# Allegro board BeagleBone AI -64_PCB_V1.02_211119.brd (continued)
## Routing (per net, layer and track width the routed paths; a pad name or vN(x,y) marks a point on that pad's centre or on a via; arc(x,y) is an arc through that point) (continued)
GND_CT: length 10.1
  TOP w0.254: -27.98,5.18 R158.1
  TOP w0.406: -27.98,5.18 -27.98,5.59 -24.12,9.45 -24.12,12.05 -24.37,12.29 J9.1
GND_EARTH: length 724.5
  TOP w0.406: v1(-47.09,53.19) -39.34,53.19 -37.99,51.84 -35.45,51.84 -34.89,51.28 -33.03,51.28 J12.S2
  TOP w0.673: -45.49,70.83 MH1.1 -42.77,73.55 ; -44.76,68.47 MH4.1 -42.09,71.15
  TOP w1.016: MH4.1 -37.09,63.47 J12.S1 ; -46.71,65.38 -47.06,65.38 -47.22,65.22 J12.S4 ; -47.16,51.87 -47.22,51.81 J12.S3 ; -47.01,63.77 -47.01,62.43
  L2-GND w0.381: J7.SH1 14.89,-0.4 ; J7.SH1 14.89,-3.05 ; J7.SH1 15.67,-1.73 ; J7.SH1 14.11,-1.73 ; -4.61,5.1 J8.20 -4.61,1.75 ; -42.62,32.23 MH2.1 -45.34,29.51 ; 41.92,-1.96 J5.S3 ; J5.S3 41.92,0.19 ; J5.S3 42.6,-0.89 ; J5.S3 41.24,-0.89 ; 53.07,-0.09 MH9.1 50.36,-2.8 ; J7.SH2 5.77,-0.4 ; J7.SH2 5.77,-3.05 ; J7.SH2 6.55,-1.73 ; -45.49,70.83 MH1.1 -42.77,73.55 ; -44.37,-2.8 MH3.1 ; MH3.1 -47.09,-0.09 ; MH3.1 -44.37,2.63 ; MH3.1 -41.65,-0.09 ; 32.92,-1.96 J5.S4 ; J5.S4 32.92,0.19 ; J5.S4 32.24,-0.89 ; J5.S4 33.6,-0.89 ; -19.43,3.43 J8.21 ; J8.21 -17.75,5.1 ; J8.21 -17.75,1.75 ; -22.21,6.05 J9.15 -20.68,7.58 ; -42.09,71.15 MH4.1 -44.76,68.47
  L2-GND w1.016: -42.42,26.56 MH5.1 -42.09,26.83 -44.29,29.03 ; -42.42,26.56 -45.31,26.56 -45.46,26.42 ; -42.42,26.56 -44.34,24.64 ; 23.95,72.42 22.23,74.14 ; 23.95,72.42 23.95,72.92 25.56,74.53 ; 23.95,72.42 MH6.1 ; -38.91,5.11 -37.96,6.06 J9.16 ; 41.71,2.22 41.71,0.51 41.74,0.48 ; 33.11,2.22 33.11,0.5 33.13,0.48 ; J8.22 -17.75,6.66 -17.93,6.48 ; -45.71,28.93 -44.83,29.82 -44.83,31.72 MH2.1 -45.34,32.74 -47.29,34.69 -47.29,34.8 ; J7.SH4 6.07,2.4 ; J8.19 -4.61,6.88 -4.41,6.68 ; J7.SH3 14.59,2.39
  L4-GND w0.381: -17.75,1.75 J8.21 ; J8.21 -17.75,5.1 ; J8.21 -19.43,3.43 ; -42.09,71.15 MH4.1 -44.76,68.47 ; -4.61,5.1 J8.20 -4.61,1.75 ; J7.SH2 5.77,-0.4 ; J7.SH2 6.55,-1.73 ; J7.SH2 5.77,-3.05 ; -44.37,-2.8 MH3.1 ; MH3.1 -44.37,2.63 ; MH3.1 -47.09,-0.09 ; MH3.1 -41.65,-0.09 ; J5.S3 42.6,-0.89 ; J5.S3 41.92,-1.96 ; J5.S3 41.92,0.19 ; J5.S3 41.24,-0.89 ; J7.SH1 14.89,-0.4 ; J7.SH1 15.67,-1.73 ; J7.SH1 14.11,-1.73 ; J7.SH1 14.89,-3.05 ; 32.92,-1.96 J5.S4 ; J5.S4 32.92,0.19 ; J5.S4 33.6,-0.89 ; J5.S4 32.24,-0.89 ; -20.68,7.58 J9.15 -22.21,6.05 ; -42.62,32.23 MH2.1 -45.34,29.51 ; -42.77,73.55 MH1.1 -45.49,70.83 ; 53.07,-0.09 MH9.1 50.36,-2.8
  L4-GND w1.016: J7.SH3 14.59,2.41 14.61,2.39 ; J7.SH4 6.07,2.58 ; 22.13,74.4 22.13,73.47 MH6.1 25.46,73.15 25.46,74.63 ; J8.19 -4.61,6.83 -4.49,6.71 ; 41.71,0.43 41.71,0.43 41.71,2.22 ; -45.76,29.06 -44.83,30 -44.83,31.72 MH2.1 -45.34,32.74 -46.71,34.11 ; J8.22 -17.75,6.81 -17.62,6.68 ; 33.11,2.22 33.11,0.62 33.03,0.53 ; -38.45,5.56 -37.96,6.06 J9.16
  L6-GND w0.381: 50.36,-2.8 MH9.1 53.07,-0.09 ; MH3.1 -44.37,2.63 ; MH3.1 -44.37,-2.8 ; MH3.1 -41.65,-0.09 ; MH3.1 -47.09,-0.09 ; 41.92,-1.96 J5.S3 ; J5.S3 42.6,-0.89 ; J5.S3 41.92,0.19 ; J5.S3 41.24,-0.89 ; -17.75,1.75 J8.21 ; J8.21 -17.75,5.1 ; J8.21 -19.43,3.43 ; J7.SH2 6.55,-1.73 ; J7.SH2 5.77,-0.4 ; J7.SH2 5.77,-3.05 ; J5.S4 33.6,-0.89 ; J5.S4 32.92,0.19 ; J5.S4 32.92,-1.96 ; J5.S4 32.24,-0.89 ; 14.89,-3.05 J7.SH1 ; J7.SH1 14.11,-1.73 ; J7.SH1 14.89,-0.4 ; J7.SH1 15.67,-1.73 ; -20.68,7.58 J9.15 -22.21,6.05 ; -45.49,70.83 MH1.1 -42.77,73.55 ; -44.76,68.47 MH4.1 -42.09,71.15 ; -45.34,29.51 MH2.1 -42.62,32.23 ; -4.61,5.1 J8.20 -4.61,1.75
  L6-GND w1.016: 41.74,0.66 41.71,0.69 41.71,2.22 ; 33.1,0.59 33.11,0.6 33.11,2.22 ; -38.4,5.67 -37.96,6.11 J9.16 ; J7.SH3 14.59,2.54 14.66,2.47 ; J7.SH4 6.07,2.38 ; 22.61,74.75 22.61,72.99 MH6.1 25.28,72.97 25.28,74.68 ; -17.57,6.4 -17.75,6.58 J8.22 ; J8.19 -4.61,6.84 -4.64,6.81 ; -45.66,28.7 -44.83,29.54 -44.83,31.72 MH2.1 -45.34,32.47 -46.93,34.06
  L7-PWR/GND w0.381: 14.89,-3.05 J7.SH1 ; J7.SH1 14.89,-0.4 ; J7.SH1 15.67,-1.73 ; J7.SH1 14.11,-1.73 ; -19.43,3.43 J8.21 ; J8.21 -17.75,5.1 ; J8.21 -17.75,1.75 ; J5.S3 41.92,0.19 ; J5.S3 41.92,-1.96 ; J5.S3 41.24,-0.89 ; J5.S3 42.6,-0.89 ; -44.37,-2.8 MH3.1 ; MH3.1 -41.65,-0.09 ; MH3.1 -47.09,-0.09 ; MH3.1 -44.37,2.63 ; J5.S4 32.92,0.19 ; J5.S4 33.6,-0.89 ; J5.S4 32.92,-1.96 ; J5.S4 32.24,-0.89 ; -4.61,5.1 J8.20 -4.61,1.75 ; -45.49,70.83 MH1.1 -42.77,73.55 ; J7.SH2 6.55,-1.73 ; J7.SH2 5.77,-3.05 ; J7.SH2 5.77,-0.4 ; -42.62,32.23 MH2.1 -45.34,29.51 ; -44.76,68.47 MH4.1 -42.09,71.15 ; 53.07,-0.09 MH9.1 50.36,-2.8 ; -20.68,7.58 J9.15 -22.21,6.05
  L7-PWR/GND w1.016: -17.6,6.55 -17.75,6.71 J8.22 ; J7.SH3 14.59,2.49 14.59,2.49 ; 33.11,2.22 33.11,0.39 33.08,0.36 ; 41.71,2.22 41.71,0.61 41.69,0.59 ; J9.16 -37.96,6.18 -38.63,5.51 ; -46.71,34.11 -45.34,32.74 MH2.1 -44.83,31.72 -44.83,29.64 ; -4.18,6.76 -4.61,7.18 J8.19 ; 25.1,74.7 25.1,72.79 MH6.1 22.56,73.04 22.56,74.58 ; J7.SH4 6.07,2.48 6.05,2.47
  L8-PWR/GND w0.381: -17.75,1.75 J8.21 ; J8.21 -17.75,5.1 ; J8.21 -19.43,3.43 ; 14.11,-1.73 J7.SH1 ; J7.SH1 14.89,-0.4 ; J7.SH1 15.67,-1.73 ; J7.SH1 14.89,-3.05 ; -20.68,7.58 J9.15 -22.21,6.05 ; 5.77,-3.05 J7.SH2 ; J7.SH2 6.55,-1.73 ; J7.SH2 5.77,-0.4 ; J5.S4 33.6,-0.89 ; J5.S4 32.24,-0.89 ; J5.S4 32.92,-1.96 ; J5.S4 32.92,0.19 ; -47.09,-0.09 MH3.1 ; MH3.1 -44.37,2.63 ; MH3.1 -44.37,-2.8 ; MH3.1 -41.65,-0.09 ; -45.34,29.51 MH2.1 -42.62,32.23 ; 50.36,-2.8 MH9.1 53.07,-0.09 ; -44.76,68.47 MH4.1 -42.09,71.15 ; J5.S3 41.92,0.19 ; J5.S3 41.92,-1.96 ; J5.S3 42.6,-0.89 ; J5.S3 41.24,-0.89 ; -4.61,5.1 J8.20 -4.61,1.75 ; -45.49,70.83 MH1.1 -42.77,73.55
  L8-PWR/GND w1.016: 6.03,2.36 6.07,2.41 J7.SH4 ; -38.65,5.69 -37.96,6.39 J9.16 ; J8.22 -17.75,6.48 -17.75,6.48 ; 41.71,2.22 41.71,0.38 41.69,0.36 ; 33.11,2.22 33.11,0.42 33.08,0.38 ; -4.39,6.45 -4.61,6.67 J8.19 ; 22.41,74.6 22.41,73.19 MH6.1 25.3,73 25.3,74.7 ; -46.17,28.55 -44.83,29.89 -44.83,31.72 MH2.1 -45.34,32.74 -46.71,34.11 ; J7.SH3 14.59,2.56
  L9-PWR/GND w0.381: 14.89,-3.05 J7.SH1 ; J7.SH1 14.11,-1.73 ; J7.SH1 14.89,-0.4 ; J7.SH1 15.67,-1.73 ; 53.07,-0.09 MH9.1 50.36,-2.8 ; 41.92,-1.96 J5.S3 ; J5.S3 42.6,-0.89 ; J5.S3 41.24,-0.89 ; J5.S3 41.92,0.19 ; -42.09,71.15 MH4.1 -44.76,68.47 ; -42.77,73.55 MH1.1 -45.49,70.83 ; 5.77,-3.05 J7.SH2 ; J7.SH2 6.55,-1.73 ; J7.SH2 5.77,-0.4 ; -17.75,1.75 J8.21 ; J8.21 -19.43,3.43 ; J8.21 -17.75,5.1 ; 32.92,-1.96 J5.S4 ; J5.S4 32.92,0.19 ; J5.S4 32.24,-0.89 ; J5.S4 33.6,-0.89 ; -47.09,-0.09 MH3.1 ; MH3.1 -41.65,-0.09 ; MH3.1 -44.37,-2.8 ; MH3.1 -44.37,2.63 ; -45.34,29.51 MH2.1 -42.62,32.23 ; -20.68,7.58 J9.15 -22.21,6.05 ; -4.61,5.1 J8.20 -4.61,1.75
  L9-PWR/GND w1.016: J9.16 -37.96,6.06 -38.45,5.56 ; 41.69,0.36 41.71,0.38 41.71,2.22 ; J8.19 -4.61,6.93 -4.46,6.78 ; -44.77,24.56 -42.77,26.56 -43.14,26.56 -45.05,28.47 ; 33.11,2.22 33.11,0.62 33.1,0.61 ; J7.SH3 14.59,2.46 14.61,2.44 ; 6.08,2.44 6.07,2.45 J7.SH4 ; 22.51,74.7 22.51,73.09 MH6.1 25.05,72.74 25.05,74.75 ; -46.71,34.11 -45.34,32.74 MH2.1 -44.83,31.72 -44.83,29.54 -45.36,29.01 ; J8.22 -17.75,7.11 -18.18,6.68
  L11-GND w0.381: 53.07,-0.09 MH9.1 50.36,-2.8 ; -17.75,1.75 J8.21 ; J8.21 -17.75,5.1 ; J8.21 -19.43,3.43 ; -44.76,68.47 MH4.1 -42.09,71.15 ; J7.SH2 6.55,-1.73 ; J7.SH2 5.77,-0.4 ; J7.SH2 5.77,-3.05 ; J5.S4 32.92,0.19 ; J5.S4 32.24,-0.89 ; J5.S4 33.6,-0.89 ; J5.S4 32.92,-1.96 ; 41.24,-0.89 J5.S3 ; J5.S3 41.92,-1.96 ; J5.S3 41.92,0.19 ; J5.S3 42.6,-0.89 ; 14.11,-1.73 J7.SH1 ; J7.SH1 14.89,-3.05 ; J7.SH1 14.89,-0.4 ; J7.SH1 15.67,-1.73 ; -42.62,32.23 MH2.1 -45.34,29.51 ; -4.61,1.75 J8.20 -4.61,5.1 ; -45.49,70.83 MH1.1 -42.77,73.55 ; -47.09,-0.09 MH3.1 ; MH3.1 -44.37,-2.8 ; MH3.1 -41.65,-0.09 ; MH3.1 -44.37,2.63 ; -22.21,6.05 J9.15 -20.68,7.58
  L11-GND w1.016: -17.9,6.5 -17.75,6.66 J8.22 ; J8.19 -4.61,6.71 -4.82,6.5 ; 6.08,2.44 6.07,2.45 J7.SH4 ; J9.16 -37.96,6.11 -38.6,5.46 ; -45.03,29.03 -44.83,29.23 -44.83,31.72 MH2.1 -45.34,32.74 -46.71,34.11 ; -44.65,28.68 -42.53,26.56 -43.03,26.56 -44.77,24.82 ; J7.SH3 14.59,2.51 14.66,2.44 ; 22.31,74.75 22.31,73.3 MH6.1 25.3,73 25.3,74.83 ; 41.71,0.64 41.71,2.22 ; 33.08,0.48 33.11,0.52 33.11,2.22
  BOTTOM w0.406: J5.S2 32.92,3.75 32.7,3.53 ; J5.S1 41.92,3.63 42.04,3.51
  BOTTOM w0.673: J7.SH2 5.77,-0.4 ; J7.SH2 5.77,-3.05 ; J7.SH2 6.55,-1.73 ; -47.09,-0.09 MH3.1 ; MH3.1 -44.37,2.63 ; MH3.1 -44.37,-2.8 ; MH3.1 -41.65,-0.09 ; -17.75,1.75 J8.21 ; J8.21 -19.43,3.43 ; J8.21 -17.75,5.1 ; 41.92,-1.96 J5.S3 ; J5.S3 41.92,0.19 ; J5.S3 41.24,-0.89 ; J5.S3 42.6,-0.89 ; -20.68,7.58 J9.15 -22.21,6.05 ; -4.61,5.1 J8.20 -4.61,1.75 ; J7.SH1 15.67,-1.73 ; J7.SH1 14.11,-1.73 ; J7.SH1 14.89,-3.05 ; J7.SH1 14.89,-0.4 ; 53.07,-0.09 MH9.1 50.36,-2.8 ; J5.S4 33.6,-0.89 ; J5.S4 32.24,-0.89 ; J5.S4 32.92,-1.96 ; J5.S4 32.92,0.19
  BOTTOM w1.016: J7.SH4 6.07,2.43 6.05,2.41 ; 33.11,0.65 33.05,0.59 ; J8.22 -17.75,6.53 -17.65,6.43 ; -38.78,5.56 -37.96,6.39 J9.16 ; 14.64,2.41 14.59,2.46 J7.SH3 ; J8.19 -4.61,6.77 -4.77,6.61
  vias: v1(-47.29,20.85) v1(-47.31,17.65) v1(-47.31,5.11) v1(-47.09,39.47) v1(-47.09,2.59) v1(-47.03,60.15) v1(-47.01,54.71) v1(-47.01,48.49) v1(-47.03,46.36) v1(-46.96,24.23) v1(-46.93,43.16) v1(-46.86,34.98) v1(-46.78,27.56) v1(-46.6,66.27) v1(-45.54,69.85) v1(-41.45,73.92) v1(-39.85,-1.4) v1(-39.74,2.95) v1(-39.59,75.52) v1(-34.64,-2.77) v1(-29.66,-2.74) v1(-22.96,-2.94) v1(-15.87,-2.59) v1(-6.42,-2.64) v1(0.03,-3.15) v1(4.55,-3.15) v1(7.14,-3.02) v1(12.53,-2.82) v1(18.5,-2.87) v1(22.89,-2.82) v1(27.06,-2.89) v1(31.53,-2.72) v1(35.91,-1.73) v1(37.29,-1.83) v1(38.91,-1.73) v1(40.44,-1.78) v1(42.73,-2.84) v1(42.83,-1.47) v1(43.91,-1.5) v1(43.95,-2.94) v1(45.02,-1.5) v1(44.99,-2.84) v1(46.2,-1.5) v1(46.46,-2.61) v1(47.3,-1.57) v1(47.78,-2.77) v1(49.66,-3.1) v1(52,-2.94) v1(53.3,1.09) v1(53.3,-2.23)
V1V1_VDDUSB: length 16.6
  TOP w0.254: U20.31 -0.33,26.27 -0.31,26.29 C397.1 0.59,25.88 v1(0.17,25.46) ; v1(-2.46,16.49) -2.46,16.56 -2.71,16.82 C402.1 -2.97,17.21 -3.26,17.49 U20.13 ; C355.1 v1(-12.32,24.9) ; U20.57 -10.7,22.77 -10.81,22.67 -11.47,22.67 -12.07,22.06 v1(-12.07,21.79) -12.1,21.82 C357.1 ; v1(-5.38,16.66) -5.51,16.8 C380.1 -5.76,16.83 U20.8 ; U20.5 -7.26,17.6 -7.05,17.39 v1(-7.05,16.92) ; C398.1 0.42,24.97 v1(0.16,24.72) 0.1,24.77 U20.28
  TOP w0.305: U20.51 -10.9,25.77 -11.77,24.9 v1(-12.32,24.9)
  vias: v1(-10.79,17.78) v1(-10.79,17.27) v1(4.71,20.39) v1(4.71,19.79)
V3V3_VDD33USB: length 15.8
  TOP w0.254: v1(4.45,27.41) 4.45,27.36 4.29,27.19 FL22.1 ; U20.63 -10.98,19.77 -11.88,18.87 C247.1 -12.56,18.16 C358.1 -12.57,18.29 v1(-12.49,18.37) ; U20.16 -1.76,17.72 -1.25,17.22 C385.1 -0.55,16.82 C324.1 -0.1,16.82 v1(0.13,17.04) ; U20.34 -2.26,28.19 -2.13,28.33 -2.13,29.72 -2.31,29.9 C381.1 -2.58,29.9 v1(-2.69,29.8) -2.79,29.9 C323.1 ; C4.1 -14.12,24.36 v1(-14.04,24.28) -13.96,24.36 C356.1 -11.68,24.36 -10.77,25.27 U20.52 ; C399.1 v1(2.93,27.5)
V4_USBC_INT: length 115.9
  TOP w0.165: U21.6 49.87,6.5 50.55,5.82 50.55,5.67 v1(50.86,5.36) 50.7,5.2 R82.2
  TOP w0.229: U19.V4 2.91,51.98 v1(2.91,51.99)
  L5-SIGNAL w0.102: v1(49.82,41.99) 50.78,41.99 52.53,40.24 52.53,25.07 51.06,23.6 51.06,10.39 50.6,9.93 50.6,6.53 50.86,6.28 v1(50.86,5.36)
  L10-SIGNAL w0.102: v1(49.82,41.99) 49.82,42.78 49.68,42.91 49.09,42.91 48.01,43.99 48.01,59.76 46.51,61.27 40.95,61.27 40.6,60.91 40.6,59.37 39.78,58.55 34.52,58.55 34.42,58.45 31.48,58.45 30.87,59.06 27.89,59.06 27.17,58.33 25.34,58.33 24.72,57.71 20.93,57.71 19.56,59.08 17.52,59.08 16.95,58.52 15.79,58.52 15.53,58.26 11.2,58.26 10.93,57.99 6.69,57.99 5.95,57.25 5.95,54.87 5.11,54.03 3.51,54.03 3.28,53.8 3.28,52.36 v1(2.91,51.99)
V5_AB25: length 56.8
  TOP w0.165: v1(-21.25,46.25) -21.25,46.2 R264.2
  L8-PWR/GND w0.127: v1(-21.25,46.25) -22.12,46.25 -22.63,45.75 -22.63,44.2 -22.35,43.92 -22.35,43.26 -21.4,42.31 -21.4,41.09 -21.21,40.9 -21.21,40.49 -21.44,40.26 -21.63,40.26 -22.02,39.88 -22.02,38.15 -21.9,38.04 -21.9,37.48 -22.55,36.83 -22.55,32.59 -22.09,32.13 -22.09,29.08 -24.33,26.85 -24.33,19.58 -24.05,19.31 -24.05,18.59 v1(-24.5,18.14)
  L10-SIGNAL w0.102: v1(-21.25,46.25) -22.45,47.45 -22.45,49.48 -22.9,49.94 -22.9,52.05 -23.04,52.19 -23.04,52.54 -22.7,52.88 -22.7,54.13 -23.1,54.53 -23.1,55.49 -23.87,56.27 -23.87,57.8 v1(-23.23,58.43)
  BOTTOM w0.165: v1(-24.5,18.14) -24,17.63 -19.35,17.63 -17.95,19.03 -16.98,19.03 -16.69,19.32 P9.29 ; R128.2 -22.83,58.17 -22.96,58.29 -23.18,58.29 -23.23,58.35 v1(-23.23,58.43)
V5_SYS_BOOTMODE5: length 37.3
  TOP w0.165: v1(-20.36,46.1) R264.1 -20.59,45.71 -20.59,45.7 R269.1 R270.2
  TOP w0.229: v1(2.11,51.99) 1.71,51.59 U19.V5
  L12-SIGNAL w0.102: v1(-20.36,46.1) -19.99,46.48 -19.69,46.48 -19.69,46.48 -19.28,46.48 -19.28,46.48 -18.55,46.48 -18.07,46 -14.52,46 -14.3,46.22 -14.3,46.53 -14.04,46.79 -13.57,46.79 -6.53,46.79 -6.3,47.02 -6.3,55.32 -6.01,55.6 -5.68,55.6 -4.9,56.38 -2.53,56.38 -2.3,56.15 -2.3,55.84 -2.05,55.59 -1.74,55.59 -1.54,55.4 -1.5,55.29 -1.5,55.04 -1.25,54.79 -0.14,54.79 0.1,54.55 0.1,54.24 0.35,53.99 0.66,53.99 0.9,53.75 0.9,53.44 1.16,53.18 1.47,53.18 1.72,52.94 1.72,52.62 2.11,52.23 v1(2.11,51.99)
V6_AE28: length 49.9
  TOP w0.165: v1(-23.34,45.75) -23.29,45.7 R242.2
  L5-SIGNAL w0.102: v1(-25.29,26.54) -16.76,26.54 -16.72,26.58 -16.66,26.58 v1(-16.37,26.87)
  L10-SIGNAL w0.102: v1(-25.29,26.54) -26.05,27.31 -26.05,34.85 -25.55,35.36 -25.55,38.13 -25.93,38.51 -26.28,38.51 -26.49,38.71 -26.49,39.31 -25.83,39.97 -25.83,42.47 -25.2,43.1 -25.2,45.52 -24.83,45.89 -23.98,45.89 -23.85,45.75 v1(-23.34,45.75) -23.34,46.14 -23.82,46.62 -23.82,51.31 -23.31,51.82 -23.31,52.65 -23.04,52.92 -23.04,53.68 -23.99,54.63 -23.99,56 -24.33,56.34 -24.66,56.34 -24.76,56.44 -24.76,57.05 -24.74,57.07 -24.74,57.57 -24.76,57.59 -24.76,59.11 -24.56,59.31 -23.68,59.31 -22.99,60 v1(-22.99,60.22)
  BOTTOM w0.165: R132.2 -22.88,60.12 -22.98,60.22 v1(-22.99,60.22)
V6_SYS_BOOTMODE4: length 37
  TOP w0.165: v1(-21.84,45.78) -21.93,45.7 R242.1 -22.32,46.37 R241.2 -22.33,47.1 R238.1
  TOP w0.229: v1(1.31,51.99) 0.91,51.59 U19.V6
  L12-SIGNAL w0.102: v1(-21.84,45.78) -21.45,45.78 -21.41,45.82 -21.14,45.82 -21.01,45.7 -19.31,45.7 -19.29,45.72 -14.54,45.72 -14.53,45.71 -14.24,45.99 -6.53,45.99 -6.01,46.51 -6.01,50.32 -5.38,50.95 -5.38,55.37 -5.17,55.58 -2.53,55.58 -2.28,55.34 -2.28,55.02 -2.04,54.78 -1.73,54.78 -1.5,54.55 -1.5,54.24 -1.25,53.99 -0.14,53.99 0.1,53.75 0.1,53.44 0.35,53.19 0.66,53.19 0.9,52.95 0.9,52.39 v1(1.31,51.99)
V23_DSI_GPIO1: length 65.7
  TOP w0.165: R349.1 v1(39.29,67.87)
  TOP w0.229: U19.V23 v1(-13.09,51.99)
  L10-SIGNAL w0.102: v1(-13.09,51.99) -13.09,52.28 -12.67,52.7 -12.67,53.72 -12.36,54.03 -12.14,54.03 -11.85,54.32 -11.85,54.54 -11.64,54.75 -11.42,54.75 -11.05,55.12 -11.05,55.34 -10.76,55.63 -10.54,55.63 -10.33,55.84 -10.33,56.05 -9.96,56.43 -9.7,56.43 -9.45,56.67 -9.45,56.94 -9.24,57.15 -8.98,57.15 -7.85,58.27 -7.85,58.54 -7.64,58.75 -7.38,58.75 -7.05,59.07 -7.05,59.34 -6.84,59.55 -6.58,59.55 -6.25,59.87 -6.25,60.14 -6.04,60.35 -5.53,60.35 -4.46,61.41 -4.46,62.3 -3.97,62.79 -0.76,62.79 0.61,64.16 0.61,65.7 2.75,67.84 11.39,67.84 12.76,66.47 15.17,66.47 16.24,65.41 21.49,65.41 22.07,65.99 27.97,65.99 28.38,66.4 28.38,67.06 29.17,67.84 31.38,67.84 31.93,67.29 35.06,67.29 35.53,67.75 38.47,67.75 38.59,67.87 v1(39.29,67.87)
V24_LED_USR3: length 169.4
  TOP w0.165: v1(51.87,28.55) 52.01,28.69 R371.1
  TOP w0.229: v1(-13.88,51.99) -13.48,51.59 U19.V24
  L5-SIGNAL w0.102: v1(51.87,28.55) 51.06,27.74 51.06,24.82 48.22,21.97 48.22,11.34 46.63,9.76 43.82,9.76 42.5,8.43 42.5,6.91 41.97,6.38 39.99,6.38 39.11,5.5 36.47,5.5 35.87,6.1 33.89,6.1 32.8,7.19 v1(32.26,7.19)
  L8-PWR/GND w0.127: v1(-30.73,49.68) -31.02,49.98 -32.01,49.98 -33.65,48.34 -33.65,42.47 -34.94,41.17 -34.94,40.08 -35.12,39.9 -35.12,38.48 -34.99,38.36 -34.99,37.19 -34.26,36.45 -34.26,30.53 -34.84,29.95 -34.84,27.38 -33.47,26.01 -33.47,21.52 -34.03,20.96 -34.03,17.27 -33.27,16.51 -33.27,15.62 v1(-32.58,14.94)
  L12-SIGNAL w0.102: v1(-32.58,14.94) -27.91,14.94 -27.27,15.57 -24.3,15.57 -23.77,16.11 -23.13,16.11 -22.6,15.57 -16.99,15.57 -15.64,14.23 -9.59,14.23 -9.11,13.74 -5.84,13.74 -5.23,13.13 -4.25,13.13 -1.4,10.29 1.05,10.29 2.74,8.6 2.74,8.17 3.31,7.6 14.53,7.6 14.84,7.91 15.98,7.91 16.73,7.16 19.49,7.16 21.6,9.27 27.59,9.27 29.67,7.19 v1(32.26,7.19) ; v1(-30.73,49.68) -30.45,49.96 -30.39,49.96 -29.72,50.62 -22.32,50.62 -21.61,51.33 -17.93,51.33 -17.42,50.83 -15.33,50.83 -15.12,51.04 -15.12,51.26 -14.83,51.55 -14.32,51.55 v1(-13.88,51.99)
V25_CSI1_GPIO1: length 34.5
  TOP w0.165: J15.17 6.69,69.45 6.4,69.17 v1(4.73,69.17)
  TOP w0.229: U19.V25 v1(-14.69,51.99)
  L10-SIGNAL w0.102: v1(-14.69,51.99) -14.33,52.35 -14.33,52.94 -14.54,53.15 -14.86,53.15 -15.06,53.34 -15.06,54.53 -14.84,54.75 -14.56,54.75 -14.25,55.06 -14.25,55.34 -13.96,55.63 -13.74,55.63 -13.45,55.92 -13.45,56.14 -13.16,56.43 -12.94,56.43 -12.65,56.72 -12.65,56.94 -12.36,57.23 -12.09,57.23 -11.88,57.43 -11.88,57.81 -11.67,58.03 -11.34,58.03 -11.05,58.32 -11.05,58.54 -10.76,58.83 -10.54,58.83 -10.25,59.12 -10.25,59.34 -10.04,59.55 -9.82,59.55 -7.94,61.42 -7.94,63.23 -7.42,63.76 -4.48,63.76 0.93,69.17 v1(4.73,69.17)
V26_LED_USR4: length 158.4
  TOP w0.165: v1(51.9,26.98) 52.01,27.09 R372.1
  TOP w0.229: U19.V26 v1(-15.49,51.99)
  L5-SIGNAL w0.102: v1(51.9,26.98) 51.29,26.37 51.29,24.72 48.44,21.88 48.44,11.25 46.72,9.53 43.92,9.53 42.73,8.34 42.73,6.82 42.06,6.15 40.24,6.15 39.35,5.26 36.39,5.26 35.79,5.86 33.72,5.86 32.98,6.61 v1(31.43,6.61)
  L10-SIGNAL w0.102: v1(-29.89,51.56) -29.53,51.21 -29.53,50.93 -29.36,50.75 -29.36,48.91 -29.88,48.38 -30.17,48.38 -30.38,48.17 -30.38,44.86 -30.02,44.49 -30.02,44.12 -30.32,43.81 -30.32,40.23 -29.76,39.67 -29.76,28.93 -30.32,28.37 -30.32,22.25 -28.98,20.9 -28.98,19.31 -28.54,18.87 -28.54,16.23 -27.53,15.22 -27.53,15.19 v1(-27.25,14.91)
  L12-SIGNAL w0.102: v1(-29.89,51.56) -29.5,51.56 -29.41,51.65 -21.7,51.65 -21.68,51.63 -21.37,51.63 -21.36,51.63 -15.85,51.63 v1(-15.49,51.99) ; v1(31.43,6.61) 31.08,6.95 29.53,6.95 27.49,8.99 21.64,8.99 19.58,6.94 16.63,6.94 16.42,7.15 14.96,7.15 14.76,7.35 8.27,7.35 7.6,6.68 3.9,6.68 3.22,7.37 3.22,7.37 2.51,8.08 2.51,8.47 0.95,10.03 -1.47,10.03 -4.2,12.76 -4.31,12.87 -5.32,12.87 -5.96,13.51 -9.21,13.51 -9.69,14 -15.79,14 -17.04,15.24 -26.92,15.24 v1(-27.25,14.91)
V27_EHRPWM0_B: length 62.3
  TOP w0.229: v1(-16.29,51.99) -15.89,51.59 U19.V27
  L5-SIGNAL w0.102: v1(-27.86,51.02) -27.17,51.72 -22.35,51.72 -21.64,52.43 -16.73,52.43 v1(-16.29,51.99)
  L10-SIGNAL w0.102: v1(-27.86,51.02) -27.86,51.42 -27.8,51.48 -27.8,52.98 -28.08,53.26 -28.08,53.73 -27.54,54.27 -27.54,55.22 -27.81,55.49 v1(-27.81,55.88)
  BOTTOM w0.165: v1(-27.81,55.88) -28.26,56.34 -28.26,57.99 -26.82,59.44 -26.82,59.83 -25.89,60.76 -25.54,60.76 -23.26,63.04 -23.26,63.52 -22.85,63.93 -22.33,63.93 -21.66,64.59 -21.66,65.95 -20.06,67.55 -20.06,70.05 -19.67,70.45 -12.68,70.45 -12.03,71.1 -7.61,71.1 -7.3,70.78 1.41,70.78 2.13,70.05 3.46,70.05 3.63,69.88 P8.13
V28_MCASP10_AXR0: length 91.8
  TOP w0.165: U32.17 45.64,64.03 v1(45.14,63.53)
  TOP w0.229: U19.V28 v1(-17.09,51.99)
  L5-SIGNAL w0.102: v1(45.14,63.53) 45.51,63.9 45.51,64.81 46.02,65.32 46.02,70.04 45.07,70.99 44.51,70.99 42.93,72.57 39.89,72.57 v1(39.46,72.14)
  L10-SIGNAL w0.102: v1(-17.09,51.99) -17.45,52.35 -17.45,54.54 -17.24,54.75 -16.85,54.75 -16.65,54.94 -16.65,55.34 -16.44,55.55 -16.05,55.55 -15.85,55.74 -15.85,56.14 -15.64,56.35 -15.25,56.35 -15.05,56.54 -15.05,56.94 -14.76,57.23 -14.47,57.23 -14.25,57.44 -14.25,60.24 -12.52,61.98 -11.3,61.98 -10.99,62.28 -10.99,63.42 -10.18,64.24 -8.88,64.24 -7.99,65.13 -6.04,65.13 -5.71,65.46 -5.71,67.16 -4.49,68.38 -3.68,68.38 -1.14,70.92 12.08,70.92 14.7,68.3 19.83,68.3 20.4,67.73 22.01,67.73 22.17,67.9 26.35,67.9 30.14,71.68 36.79,71.68 38.06,72.95 39.04,72.95 39.46,72.53 v1(39.46,72.14)
V29_EHRPWM0_A: length 31.6
  TOP w0.229: U19.V29 v1(-17.89,51.99)
  L10-SIGNAL w0.102: v1(-17.89,51.99) -18.54,52.63 -18.54,53.6 -18.48,53.65 -18.48,54.15 -18.54,54.21 -18.54,65.66 -17.46,66.74 -17.46,67.15 -16.96,67.64 -13,67.64 -11.07,69.58 -4.26,69.58 v1(-3.99,69.3)
  BOTTOM w0.165: P8.19 v1(-3.99,69.3)
VBUS_5V0_TYPEA: length 13.5
  TOP w0.203: -0.15,8.59 -0.15,8.64 ; -0.15,8.59 v1(0.51,7.93) ; -0.15,8.59 -0.15,7.93 ; -0.15,8.64 C388.1 ; -0.15,8.64 v1(-0.86,7.93) ; v1(-0.55,7.52) v1(-0.17,7.9) -0.15,7.93 ; -0.15,7.93 -0.15,7.85 v1(0.18,7.52)
  L10-SIGNAL w0.406: -8.2,4.85 -7.68,5.37 J8.1
  L10-SIGNAL w0.457: -8.36,5.43 J8.1 ; J8.1 -7,5.43 ; J8.1 -7.68,6.1 ; J8.10 -7.68,9.3 ; J8.10 -7.68,7.95 ; J8.10 -7,8.63 ; J8.10 -8.36,8.63
  BOTTOM w0.203: -0.16,8.62 v1(-0.86,7.93) ; -0.16,8.62 -0.16,8.6 ; -0.16,8.62 C142.1 ; -0.16,7.91 v1(-0.17,7.9) v1(-0.55,7.52) ; -0.16,7.91 -0.16,7.86 v1(0.18,7.52) ; -0.16,7.91 -0.16,8.6 ; -0.16,8.6 v1(0.51,7.93)
VCC_LM5141: length 4.4
  TOP w0.305: v1(17.9,17.69) 17.81,17.78 D41.1
  TOP w0.381: D41.1 16.84,16.44 C453.1
  BOTTOM w0.203: 17.89,17.69 v1(17.9,17.69) 18.64,16.96 U3.10
VDD1_LPDDR4_1V8_REG: length 1.4
  TOP w0.305: v1(37.16,50.58) 37.7,51.12 U30.13
  vias: v1(36.2,50.12) v1(36.43,50.57)
VDD_1V1: length 15.1
  TOP w0.254: R277.1 5.67,23.9 v1(5.66,23.88) ; v1(14.8,25.52) 14.13,26.19 R244.1
  L10-SIGNAL w0.305: v1(8.69,21.82) 7.25,21.82 6.01,23.06 6.01,23.53 v1(5.66,23.88)
  L12-SIGNAL w0.254: v1(8.41,22.25) 8.9,22.73 12.99,22.73 14.8,24.55 v1(14.8,25.52)
  vias: v1(-19.22,23.24) v1(-18.74,23.24) v1(5.47,22.2) v1(5.72,21.79)
VDD_2V5: length 42
  TOP w0.254: v1(-22.37,16.59) -22.37,15.65 -21.84,15.11 R243.1 ; R166.1 -21.57,22.29 -22.28,22.29 -22.68,21.9 v1(-22.68,21.19)
  TOP w0.381: -37.49,31.26 FL8.1 -36.47,30.33 -36.47,29.16 -36.85,28.78 -36.85,27.08 -35.66,25.88 -35.66,20.63 v1(-37.05,19.23)
  TOP w0.406: v1(-22.9,20.73) -22.85,20.68 -22.85,20.63 -22.83,20.63 -22.83,20.26 C315.1
  L3-SIGNAL w0.381: v1(-37.05,19.23) -36.19,18.37 -30.09,18.37 -29.52,18.94 -27.47,18.94 -27.04,18.51 -25.89,18.51 -23.67,20.73 v1(-22.9,20.73)
  L10-SIGNAL w0.254: v1(-22.37,16.59) -22.37,20.19 v1(-22.9,20.73)
  vias: v1(10.17,21.67) v1(10.55,21.92)
VDD_ADC_1V8_3V3: length 1.4
  BOTTOM w0.254: v1(33.81,52.86) 33.92,52.86 34.19,52.59 34.19,52.17 34.02,52 v1(33.81,52)
  vias: v1(-15.68,23.32) v1(-15.16,23.34)
VDD_ADC_1V8_3V3_REG: length 1.6
  TOP w0.305: U30.11 38.37,52.13 37.32,52.13 37.29,52.1 36.89,52.1 v1(36.84,52.05)
  vias: v1(36.41,51.79)
VDD_CORE_0V8: length 107.5
  TOP w0.203: C432.3 v1(11.36,31.14) ; FL17.1 v1(-7.87,67.77) ; U29.22 v1(40.57,21.24) ; C432.1 v1(11.36,29.98) ; C393.3 v1(1.31,28.91)
  TOP w0.254: v1(1.15,33.15) 1.28,33.28 C392.1 ; C438.1 v1(12.61,31.14) ; C374.1 -6.42,30.79 v1(-6.62,30.58)
  TOP w0.305: C393.1 v1(2.5,28.91) ; U19.U16 -7.09,50.79 v1(-7.49,51.19) ; v1(-5.89,52.79) -5.49,52.39 U19.W14 ; U19.K17 -7.89,45.18 v1(-8.29,44.78) ; v1(-9.09,45.58) -8.69,45.98 U19.L18 ; v1(-6.69,46.38) -6.29,46.78 U19.M15 ; U19.L16 -7.09,45.98 v1(-7.49,45.58) ; U19.R14 -5.49,49.19 v1(-5.09,48.79) ; v1(-1.09,49.59) -1.49,49.99 U19.T9 ; U19.P15 -6.29,48.38 v1(-6.69,47.98) ; U19.R16 -7.09,49.19 v1(-7.49,48.79) ; U19.L10 v1(-1.89,45.58) ; U19.U14 -5.49,50.79 v1(-5.89,51.19) ; v1(-4.29,44.78) -4.69,45.18 U19.K13 ; U19.U18 v1(-9.09,51.19) ; U19.P13 -4.69,48.38 v1(-4.29,47.98) ; U19.J10 v1(-1.89,43.98) ; U19.R18 -8.69,49.19 v1(-9.09,48.79) ; FL14.1 v1(-14.11,64.34) ; U19.N16 -7.09,47.58 v1(-7.49,47.18) ; U19.K15 -6.29,45.18 v1(-6.69,44.78) ; v1(-10.69,48.79) -10.29,49.19 U19.R20 ; U19.T17 -7.89,49.99 v1(-8.29,49.59) ; U19.T15 -6.29,49.99 v1(-6.69,49.59) ; U19.V15 -6.29,51.59 v1(-6.69,51.99) ; U19.V17 v1(-8.29,51.99) ; U19.V20 -10.29,51.59 v1(-10.69,51.99) ; U19.N18 -8.69,47.58 v1(-9.09,47.18) ; U19.N14 -5.49,47.58 v1(-5.09,47.18) ; U19.K11 v1(-2.69,44.78) ; U19.P17 -7.89,48.38 v1(-8.29,47.98) ; U19.K9 v1(-1.09,44.78)
  TOP w0.381: FL17.1 -7.87,68.33 -7.84,68.35 v1(-7.84,68.29) ; FL21.1 0.13,66.19 v1(-0.07,66.4)
  TOP w0.406: FL20.1 v1(0.18,30)
  L5-SIGNAL w0.381: v1(-0.07,66.4) -1.64,67.97 -7.66,67.97 v1(-7.87,67.77)
  L7-PWR/GND w0.203: v1(40.57,21.24) 39.68,22.12 37.67,22.12 36.46,20.91 34.14,20.91 33.48,21.57 33.48,25.45 31.78,27.15 24.19,27.15 23.91,26.87 5,26.87 4.77,26.65 2.19,26.65 1.2,27.64 -8.22,27.64 -9.14,28.55 -9.14,30.86 -5.91,34.09 -5.91,34.15 -5.9,34.16 -5.9,34.54 -5.91,34.55 -5.91,44 v1(-6.69,44.78)
  BOTTOM w0.152: v1(-1.09,49.59) -1.07,49.56 -0.96,49.56
  BOTTOM w0.203: v1(-5.09,49.59) -4.89,49.39 C196.1
  BOTTOM w0.254: v1(-6.69,51.99) -6.74,51.94 C207.3 ; C192.1 C203.1 ; v1(-5.09,49.59) -5.19,49.69 C204.1 ; v1(2.38,33.28) 2.37,33.27 C123.1 ; FL16.1 v1(-7.46,29.95) ; -6.04,51.09 -5.98,51.09 v1(-5.89,51.19) ; C202.1 -5.89,52.79 v1(-5.89,52.79)
  BOTTOM w0.305: v1(-7.49,45.58) -7.58,45.49 C219.3 ; v1(-6.69,44.78) -6.79,44.69 C219.1 ; v1(-6.69,46.38) -6.65,46.34 C209.1
  vias: v1(-14.29,63.91) v1(-6.5,31.9) v1(-5.28,31.72) v1(1.31,30) v1(5.89,33.2) v1(5.9,32.06) v1(12.61,30.03) v1(13.92,31.05) v1(15.43,31.08) v1(16.43,31.05) v1(17.96,31.29) v1(18.14,29.26) v1(19.86,31.29) v1(19.97,29.26) v1(20.96,31.24) v1(21.09,30) v1(21.77,31.24) v1(21.85,30.18) v1(35.93,17.83) v1(35.95,16.94) v1(36.35,17.4) v1(36.49,34.85) v1(36.48,33.75) v1(36.81,17.81) v1(36.81,16.94) v1(36.92,34.3) v1(37.39,34.85) v1(37.36,33.74) v1(43.83,17.83) v1(43.8,16.71) v1(44.27,17.27) v1(44.52,34.8) v1(44.51,33.7) v1(44.71,17.81) v1(44.7,16.71) v1(44.95,34.25) v1(45.42,34.8) v1(45.39,33.69)
VDD_CORE_RAM_0V85: length 3.1
  TOP w0.254: U19.V13 -4.29,51.98 v1(-4.29,51.99) ; U19.L14 v1(-5.09,45.58) ; v1(-7.49,51.99) -7.09,51.59 U19.V16 ; U19.W19 v1(-9.89,52.79)